# KiCad board cqa02303v5rpi.kicad_pcb (continued)
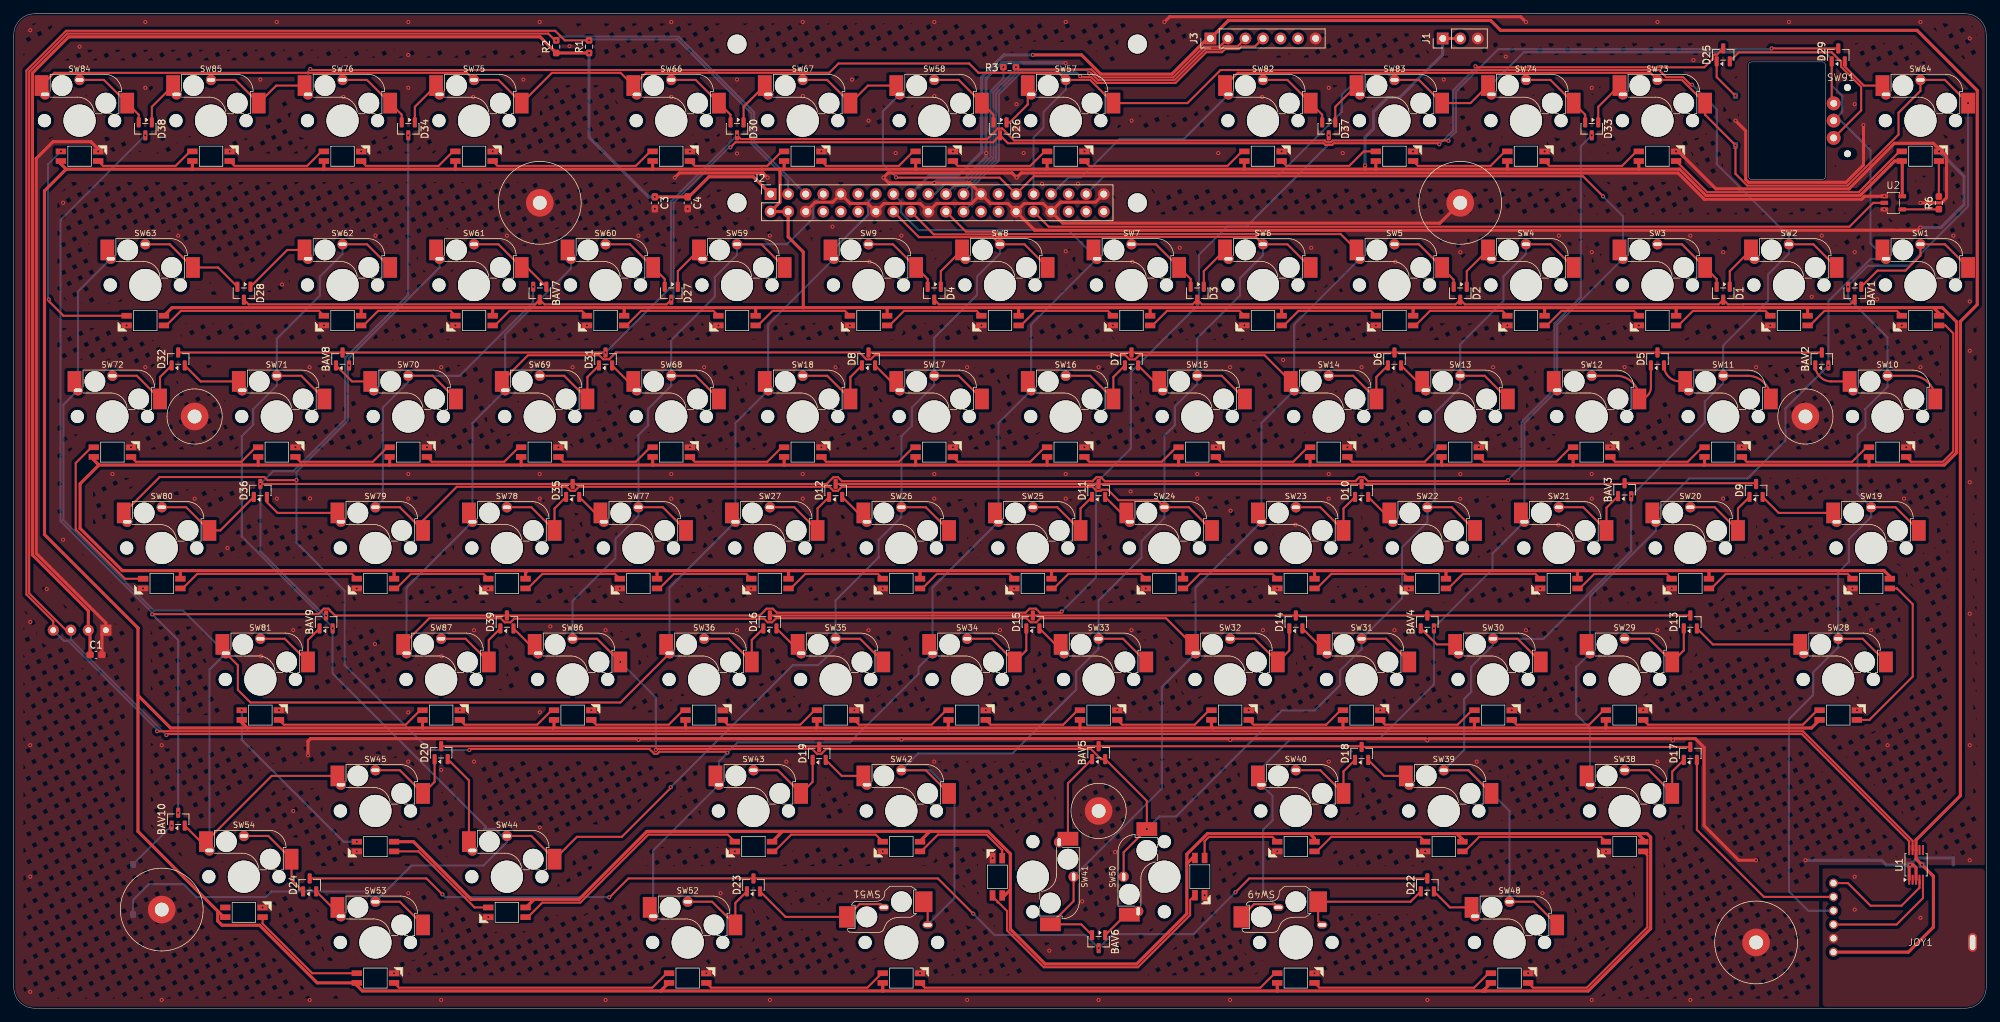
[diagram p0: board, top side]
## Nets
3V3: C1.1 C2.1 C3.1 C4.1 J2.1 J2.17 J3.1 JOY1.6 OLED1.2 R1.1 R2.1 U1.8
5V: J1.1 J1.2 J2.2 J2.4 LED1.1 LED2.1 LED3.1 LED4.1 LED5.1 LED6.1 LED7.1 LED8.1 LED9.1 LED10.1 LED11.1 LED12.1 LED13.1 LED16.1 LED17.1 LED18.1 LED19.1 LED20.1 LED21.1 LED22.1 LED23.1 LED24.1 LED25.1 LED26.1 LED27.1 LED28.1 LED29.1 LED31.1 LED32.1 LED33.1 LED34.1 LED35.1 LED36.1 LED37.1 LED38.1 LED39.1 LED40.1 LED41.1 LED42.1 LED43.1 LED44.1 LED46.1 LED47.1 LED48.1 LED49.1 LED50.1 LED51.1 LED52.1 LED53.1 LED54.1 LED55.1 LED56.1 LED57.1 LED58.1 LED61.1 LED62.1 LED63.1 LED64.1 LED65.1 LED66.1 LED67.1 LED68.1 LED69.1 LED70.1 LED71.1 LED72.1 LED76.1 LED77.1 LED78.1 LED79.1 LED80.1 LED81.1 LED82.1 LED83.1 LED84.1 LED85.1 LED86.1 LED87.1 LED88.1 LED89.1 LED90.1 U2.5
GND: 2mm1.1 2mm2.1 2mm3.1 2mm4.1 2mm5.1 2mm6.1 2mm7.1 C1.2 C2.2 C3.2 C4.2 J1.3 J2.6 J2.9 J2.14 J2.20 J2.25 J2.30 J2.34 J2.39 J3.7 LED1.3 LED2.3 LED3.3 LED4.3 LED5.3 LED6.3 LED7.3 LED8.3 LED9.3 LED10.3 LED11.3 LED12.3 LED13.3 LED16.3 LED17.3 LED18.3 LED19.3 LED20.3 LED21.3 LED22.3 LED23.3 LED24.3 LED25.3 LED26.3 LED27.3 LED28.3 LED29.3 LED31.3 LED32.3 LED33.3 LED34.3 LED35.3 LED36.3 LED37.3 LED38.3 LED39.3 LED40.3 LED41.3 LED42.3 LED43.3 LED44.3 LED46.3 LED47.3 LED48.3 LED49.3 LED50.3 LED51.3 LED52.3 LED53.3 LED54.3 LED55.3 LED56.3 LED57.3 LED58.3 LED61.3 LED62.3 LED63.3 LED64.3 LED65.3 LED66.3 LED67.3 LED68.3 LED69.3 LED70.3 LED71.3 LED72.3 LED76.3 LED77.3 LED78.3 LED79.3 LED80.3 LED81.3 LED82.3 LED83.3 LED84.3 LED85.3 LED86.3 LED87.3 LED88.3 LED89.3 LED90.3 NT1.1 OLED1.1 U1.1 U1.3 U2.1 U2.3
GNDA: JOY1.5 JOY1.7 NT1.2
/LED/LED_DIN: LED1.4 R6.2
/Mouse Sheet/MFIO: J3.6
/Mouse Sheet/MOT: J3.5
AJoy1: JOY1.1 U1.4
AJoy2: JOY1.4 U1.5
col1: BAV1.2 J2.33 JOY1.3 SW10.1 SW19.1 SW28.1 SW55.1 SW64.1 SW73.1 SW82.2
col2: BAV2.2 J2.37 SW1.2 SW20.2 SW29.2 SW38.2 SW74.2 SW83.1 SW91.C
col3: BAV3.2 J2.31 SW2.1 SW11.1 SW30.1 SW39.1 SW48.1 SW57.1 SW66.2 SW75.1 SW84.2
col4: BAV4.2 J2.29 SW3.2 SW12.2 SW21.2 SW40.2 SW49.1 SW58.2 SW67.1 SW76.2 SW85.1
col5: BAV5.2 J2.7 SW4.1 SW13.1 SW22.1 SW31.1 SW50.1 SW59.1 SW68.1 SW77.1 SW86.1
col6: BAV6.2 J2.22 SW5.2 SW14.2 SW23.2 SW32.2 SW41.1 SW60.2 SW69.2 SW78.2 SW87.2
col7: BAV7.2 J2.18 SW6.1 SW15.1 SW24.1 SW33.1 SW42.1 SW51.2 SW70.1 SW79.1
col8: BAV8.2 J2.15 SW7.2 SW16.2 SW25.2 SW34.2 SW43.2 SW52.2 SW61.2 SW80.2
col9: BAV9.2 J2.16 SW8.1 SW17.1 SW26.1 SW35.1 SW44.1 SW53.1 SW62.1 SW71.1 SW90.1
col10: BAV10.2 J2.13 SW9.2 SW18.2 SW27.2 SW36.2 SW45.2 SW54.2 SW63.2 SW72.2 SW81.2
EC1A: D29.1 SW91.A
EC1B: D25.2 SW91.B
EC1SW2: D25.1 SW55.2
JOY1: D17.2 JOY1.2
LED_CTL: J2.32 U2.2
ROW1: BAV1.3 D1.3 D2.3 D3.3 D4.3
ROW2: BAV2.3 D5.3 D6.3 D7.3 D8.3
ROW3: BAV3.3 D9.3 D10.3 D11.3 D12.3
ROW4: BAV4.3 D13.3 D14.3 D15.3 D16.3
ROW5: BAV5.3 D17.3 D18.3 D19.3 D20.3
ROW6: BAV6.3 D22.3 D23.3 D24.3
ROW7: BAV7.3 D25.3 D26.3 D27.3 D28.3
ROW8: BAV8.3 D29.3 D30.3 D31.3 D32.3
ROW9: BAV9.3 D33.3 D34.3 D35.3 D36.3
ROW10: BAV10.3 D37.3 D38.3 D39.3
SCL: J2.5 OLED1.3 R2.2 U1.10
SDA: J2.3 OLED1.4 R1.2 U1.9
SPI1_CE0: J2.12
SPI1_CE1: J2.11
SPI1_CE2: J2.36
SPI1_MISO: J2.35
SPI1_MOSI: J2.38
SPI1_SCLK: J2.40
SPIO_CS0: J2.24 J3.4
SPIO_CS1: J2.26
SPIO_RX: J2.21 J3.2 R3.1
SPIO_SCK: J2.23 J3.3
SPIO_TX: J2.19 R3.2
UART_RXD: J2.10
UART_TXD: J2.8
Net-(BAV1-K-Pad1): BAV1.1 SW1.1
Net-(BAV2-K-Pad1): BAV2.1 SW10.2
Net-(BAV3-K-Pad1): BAV3.1 SW21.1
Net-(BAV4-K-Pad1): BAV4.1 SW30.2
Net-(BAV5-K-Pad1): BAV5.1 SW41.2
Net-(BAV6-K-Pad1): BAV6.1 SW50.2
Net-(BAV7-K-Pad1): BAV7.1 SW61.1
Net-(BAV8-K-Pad1): BAV8.1 SW70.2
Net-(BAV9-K-Pad1): BAV9.1 SW81.1
Net-(BAV10-K-Pad1): BAV10.1 SW90.2
Net-(D1-A-Pad1): D1.1 SW2.2
Net-(D1-A-Pad2): D1.2 SW3.1
Net-(D2-A-Pad1): D2.1 SW4.2
Net-(D2-A-Pad2): D2.2 SW5.1
Net-(D3-A-Pad1): D3.1 SW6.2
Net-(D3-A-Pad2): D3.2 SW7.1
Net-(D4-A-Pad1): D4.1 SW8.2
Net-(D4-A-Pad2): D4.2 SW9.1
Net-(D5-A-Pad1): D5.1 SW12.1
Net-(D5-A-Pad2): D5.2 SW11.2
Net-(D6-A-Pad1): D6.1 SW14.1
Net-(D6-A-Pad2): D6.2 SW13.2
Net-(D7-A-Pad1): D7.1 SW16.1
Net-(D7-A-Pad2): D7.2 SW15.2
Net-(D8-A-Pad1): D8.1 SW18.1
Net-(D8-A-Pad2): D8.2 SW17.2
Net-(D9-A-Pad1): D9.1 SW20.1
Net-(D9-A-Pad2): D9.2 SW19.2
Net-(D10-A-Pad1): D10.1 SW23.1
Net-(D10-A-Pad2): D10.2 SW22.2
Net-(D11-A-Pad1): D11.1 SW25.1
Net-(D11-A-Pad2): D11.2 SW24.2
Net-(D12-A-Pad1): D12.1 SW27.1
Net-(D12-A-Pad2): D12.2 SW26.2
Net-(D13-A-Pad1): D13.1 SW29.1
Net-(D13-A-Pad2): D13.2 SW28.2
Net-(D14-A-Pad1): D14.1 SW32.1
Net-(D14-A-Pad2): D14.2 SW31.2
Net-(D15-A-Pad1): D15.1 SW34.1
Net-(D15-A-Pad2): D15.2 SW33.2
Net-(D16-A-Pad1): D16.1 SW36.1
Net-(D16-A-Pad2): D16.2 SW35.2
Net-(D17-A-Pad1): D17.1 SW38.1
Net-(D18-A-Pad1): D18.1 SW40.1
Net-(D18-A-Pad2): D18.2 SW39.2
Net-(D19-A-Pad1): D19.1 SW43.1
Net-(D19-A-Pad2): D19.2 SW42.2
Net-(D20-A-Pad1): D20.1 SW45.1
Net-(D20-A-Pad2): D20.2 SW44.2
Net-(D22-A-Pad1): D22.1 SW49.2
Net-(D22-A-Pad2): D22.2 SW48.2
Net-(D23-A-Pad1): D23.1 SW52.1
Net-(D23-A-Pad2): D23.2 SW51.1
Net-(D24-A-Pad1): D24.1 SW54.1
Net-(D24-A-Pad2): D24.2 SW53.2
Net-(D26-A-Pad1): D26.1 SW57.2
Net-(D26-A-Pad2): D26.2 SW58.1
Net-(D27-A-Pad1): D27.1 SW59.2
Net-(D27-A-Pad2): D27.2 SW60.1
Net-(D28-A-Pad1): D28.1 SW62.2
Net-(D28-A-Pad2): D28.2 SW63.1
Net-(D29-A-Pad2): D29.2 SW64.2
Net-(D30-A-Pad1): D30.1 SW67.2
Net-(D30-A-Pad2): D30.2 SW66.1
Net-(D31-A-Pad1): D31.1 SW69.1
Net-(D31-A-Pad2): D31.2 SW68.2
Net-(D32-A-Pad1): D32.1 SW72.1
Net-(D32-A-Pad2): D32.2 SW71.2
Net-(D33-A-Pad1): D33.1 SW73.2
Net-(D33-A-Pad2): D33.2 SW74.1
Net-(D34-A-Pad1): D34.1 SW75.2
Net-(D34-A-Pad2): D34.2 SW76.1
Net-(D35-A-Pad1): D35.1 SW78.1
Net-(D35-A-Pad2): D35.2 SW77.2
Net-(D36-A-Pad1): D36.1 SW80.1
Net-(D36-A-Pad2): D36.2 SW79.2
Net-(D37-A-Pad1): D37.1 SW83.2
Net-(D37-A-Pad2): D37.2 SW82.1
Net-(D38-A-Pad1): D38.1 SW85.2
Net-(D38-A-Pad2): D38.2 SW84.1
Net-(D39-A-Pad1): D39.1 SW87.1
Net-(D39-A-Pad2): D39.2 SW86.2
Net-(LED1-DOUT): LED1.2 LED2.4
Net-(LED2-DOUT): LED2.2 LED3.4
Net-(LED3-DOUT): LED3.2 LED4.4
Net-(LED4-DOUT): LED4.2 LED5.4
Net-(LED5-DOUT): LED5.2 LED6.4
Net-(LED6-DOUT): LED6.2 LED7.4
Net-(LED7-DOUT): LED7.2 LED8.4
Net-(LED8-DOUT): LED8.2 LED9.4
Net-(LED10-DIN): LED9.2 LED10.4
Net-(LED10-DOUT): LED10.2 LED11.4
Net-(LED11-DOUT): LED11.2 LED12.4
Net-(LED12-DOUT): LED12.2 LED13.4
Net-(LED13-DOUT): LED13.2 LED16.4
Net-(LED16-DOUT): LED16.2 LED17.4
Net-(LED17-DOUT): LED17.2 LED18.4
Net-(LED18-DOUT): LED18.2 LED19.4
Net-(LED19-DOUT): LED19.2 LED20.4
Net-(LED20-DOUT): LED20.2 LED21.4
Net-(LED21-DOUT): LED21.2 LED22.4
Net-(LED22-DOUT): LED22.2 LED23.4
Net-(LED23-DOUT): LED23.2 LED24.4
Net-(LED24-DOUT): LED24.2 LED25.4
Net-(LED25-DOUT): LED25.2 LED26.4
Net-(LED26-DOUT): LED26.2 LED27.4
Net-(LED27-DOUT): LED27.2 LED28.4
Net-(LED28-DOUT): LED28.2 LED29.4
Net-(LED29-DOUT): LED29.2 LED31.4
Net-(LED31-DOUT): LED31.2 LED32.4
Net-(LED32-DOUT): LED32.2 LED33.4
Net-(LED33-DOUT): LED33.2 LED34.4
Net-(LED34-DOUT): LED34.2 LED35.4
Net-(LED35-DOUT): LED35.2 LED36.4
Net-(LED36-DOUT): LED36.2 LED37.4
Net-(LED37-DOUT): LED37.2 LED38.4
Net-(LED38-DOUT): LED38.2 LED39.4
Net-(LED39-DOUT): LED39.2 LED40.4
Net-(LED40-DOUT): LED40.2 LED41.4
Net-(LED41-DOUT): LED41.2 LED42.4
Net-(LED42-DOUT): LED42.2 LED43.4
Net-(LED43-DOUT): LED43.2 LED44.4
Net-(LED44-DOUT): LED44.2 LED46.4
Net-(LED46-DOUT): LED46.2 LED47.4
Net-(LED47-DOUT): LED47.2 LED48.4
Net-(LED48-DOUT): LED48.2 LED49.4
Net-(LED49-DOUT): LED49.2 LED50.4
Net-(LED50-DOUT): LED50.2 LED51.4
Net-(LED51-DOUT): LED51.2 LED52.4
Net-(LED52-DOUT): LED52.2 LED53.4
Net-(LED53-DOUT): LED53.2 LED54.4
Net-(LED54-DOUT): LED54.2 LED55.4
Net-(LED55-DOUT): LED55.2 LED56.4
Net-(LED56-DOUT): LED56.2 LED57.4
Net-(LED57-DOUT): LED57.2 LED58.4
Net-(LED58-DOUT): LED58.2 LED61.4
Net-(LED61-DOUT): LED61.2 LED62.4
Net-(LED62-DOUT): LED62.2 LED63.4
Net-(LED63-DOUT): LED63.2 LED64.4
Net-(LED64-DOUT): LED64.2 LED65.4
Net-(LED65-DOUT): LED65.2 LED66.4
Net-(LED66-DOUT): LED66.2 LED67.4
Net-(LED67-DOUT): LED67.2 LED68.4
Net-(LED68-DOUT): LED68.2 LED69.4
Net-(LED69-DOUT): LED69.2 LED70.4
Net-(LED70-DOUT): LED70.2 LED71.4
Net-(LED71-DOUT): LED71.2 LED72.4
Net-(LED72-DOUT): LED72.2 LED76.4
Net-(LED76-DOUT): LED76.2 LED77.4
Net-(LED77-DOUT): LED77.2 LED78.4
Net-(LED78-DOUT): LED78.2 LED79.4
Net-(LED79-DOUT): LED79.2 LED80.4
Net-(LED80-DOUT): LED80.2 LED81.4
Net-(LED81-DOUT): LED81.2 LED82.4
Net-(LED82-DOUT): LED82.2 LED83.4
Net-(LED83-DOUT): LED83.2 LED84.4
Net-(LED84-DOUT): LED84.2 LED85.4
Net-(LED85-DOUT): LED85.2 LED86.4
Net-(LED86-DOUT): LED86.2 LED87.4
Net-(LED87-DOUT): LED87.2 LED88.4
Net-(LED88-DOUT): LED88.2 LED89.4
Net-(LED89-DOUT): LED89.2 LED90.4
Net-(R6-Pad1): R6.1 U2.4

Pads without a net: J2 27 28; LED90 2; U1 2 6 7

## Via types
v1: diameter 0.6, hole 0.3, Top to Bottom, 349 vias

## Routing (per net, layer and track width the routed paths; a pad name or vN(x,y) marks a point on that pad's centre or on a via; arc(x,y) is an arc through that point)
3V3: length 535.5
  Top w0.45: v1(83.34,138.39) R2.1 76.24,140.73 7.94,140.73 2.7,135.49 2.7,65.67 10.79,57.58 OLED1.2 11.04,54.52 C1.1 ; J2.1 107.14,120.46 100.71,120.46 97.8,117.54 C4.1 v1(92.87,117.54) ; JOY1.6 274.48,8.12 278.1,11.75 278.1,19.11 v1(276.45,20.76) 275.59,21.63 U1.8 275.59,24.37 282.01,30.79 282.01,99.5 284.45,101.94 284.45,132.95 275.73,141.67 215.39,141.67 213.97,143.09 175.95,143.09 J3.1 172.94,140.49 167.77,135.32 157.47,135.32 154.68,138.11 v1(147.64,138.11)
  Bottom w0.45: v1(83.34,138.39) 83.34,126.19 91.99,117.54 v1(92.87,117.54) ; v1(147.64,138.11) 143.46,138.11 140.23,134.89 140.23,124.03 136.81,120.61 132.63,120.61 J2.17
5V: length 2061.5
  Top w0.3: 192.56,41.76 192.56,41.52
  Top w0.45: 183.06,2.49 183.04,2.51 LED86.1 ; 183.06,2.49 125.88,2.49 ; 183.06,2.49 212.82,2.49 ; 169.94,20.94 169.94,22.31 172.93,25.29 187.76,25.29 ; 169.94,20.94 169.94,13.68 162.67,6.41 149.42,6.41 144.37,11.46 144.37,17.16 ; 169.94,20.94 170.77,21.77 LED81.1 171.12,22.1 ; 112.24,63.39 112.24,63.39 LED50.1 ; 112.24,63.39 131.42,63.39 ; 112.24,63.39 93.12,63.39 ; 164.72,101.49 164.62,101.4 LED23.1 ; 164.72,101.49 183.64,101.49 ; 164.72,101.49 145.57,101.49 ; 33.84,40.59 59.26,40.59 ; 33.84,40.59 22.72,40.59 17.98,45.33 ; 33.84,40.59 33.02,41.42 LED72.1 ; 59.26,40.59 59.21,40.64 LED71.1 ; 59.26,40.59 78.13,40.59 ; LED6.1 149.7,121.68 149.58,121.56 ; 149.71,78.69 168.71,78.69 ; 149.71,78.69 130.56,78.69 ; 149.71,78.69 149.7,78.7 LED37.1 ; 168.71,78.69 168.75,78.74 LED36.1 ; 168.71,78.69 187.81,78.69 ; 178.23,121.56 178.28,121.6 LED5.1 ; 178.23,121.56 149.58,121.56 ; 178.23,121.56 195.76,121.56 ; 230.61,40.59 230.66,40.65 LED62.1 ; 230.61,40.59 211.53,40.59 ; 230.61,40.59 260.44,40.59 LED61.1 ; 154.46,40.59 154.46,40.6 LED66.1 ; 154.46,40.59 135.38,40.59 ; 154.46,40.59 173.69,40.59 ; 114.38,101.49 114.38,109.56 112.19,111.75 J2.4 J2.2 111,116.76 111,121.56 ; 114.38,101.49 126.52,101.49 ; 114.38,101.49 107.44,101.49 ; 150.22,63.39 131.42,63.39 ; 150.22,63.39 150.34,63.27 LED52.1 ; 150.22,63.39 169.32,63.39 ; 131.42,63.39 131.29,63.26 LED51.1 ; LED9.1 92.55,121.57 92.53,121.56 ; 92.53,121.56 63.96,121.56 ; 92.53,121.56 111,121.56 ; 63.96,121.56 63.98,121.57 LED10.1 ; 63.96,121.56 44.86,121.56 ; 144.37,17.16 144.37,22.37 141.13,25.62 132.72,25.62 ; 144.37,17.16 143.55,16.34 LED80.1 ; 149.58,121.56 130.68,121.56 ; 44.86,121.56 25.88,121.56 ; 44.86,121.56 44.93,121.62 LED11.1 ; 25.88,121.56 7.59,121.56 ; 25.88,121.56 25.87,121.56 LED12.1 ; 183.64,101.49 202.72,101.49 ; 183.64,101.49 183.68,101.46 LED24.1 ; 69.34,101.49 69.38,101.46 LED18.1 ; 69.34,101.49 50.29,101.49 ; 69.34,101.49 88.42,101.49 ; 111,121.56 111.61,121.56 ; LED28.1 259.88,101.49 259.87,101.49 ; 226.54,63.39 207.39,63.39 ; 226.54,63.39 245.64,63.39 ; 226.54,63.39 226.54,63.39 LED56.1 ; 207.39,63.39 188.49,63.39 ; 207.39,63.39 207.49,63.3 LED55.1 ; 93.12,63.39 74.42,63.39 ; 93.12,63.39 93.19,63.32 LED49.1 ; 74.42,63.39 55.19,63.39 ; 74.42,63.39 74.14,63.11 LED48.1 ; 7.59,121.56 4.45,118.41 4.45,68.62 18,55.07 17.98,55.05 17.98,45.33 ; 7.59,121.56 6.82,122.32 LED13.1 ; 235.42,121.56 216.41,121.56 ; 235.42,121.56 LED2.1 ; 235.42,121.56 241.33,121.56 245.13,117.75 267.49,117.75 267.68,117.94 267.69,117.94 272.49,122.75 273.51,122.75 LED1.1 273.59,122.67 U2.5 ; 216.41,121.56 197.33,121.56 ; 216.41,121.56 216.38,121.59 LED3.1 ; LED90.1 30.41,13.19 17.98,25.62 17.98,45.33 ; LED22.1 145.58,101.49 145.57,101.49 ; 211.53,40.59 211.61,40.68 LED63.1 ; 211.53,40.59 192.53,40.59 ; LED68.1 116.36,40.73 116.23,40.59 ; 135.38,40.59 135.38,41.74 LED67.1 ; 135.38,40.59 116.23,40.59 ; 173.69,40.59 173.51,40.77 LED65.1 ; 173.69,40.59 192.53,40.59 ; 126.52,101.49 126.53,101.49 LED21.1 ; 126.52,101.49 145.57,101.49 ; 111.35,25.62 91.72,25.62 81.87,15.77 75.39,15.77 ; 111.35,25.62 132.72,25.62 ; 111.35,25.62 LED78.1 ; 73.51,78.69 73.5,78.7 LED41.1 ; 73.51,78.69 92.58,78.69 ; 73.51,78.69 54.43,78.69 ; 130.56,78.69 130.65,78.79 LED38.1 ; 130.56,78.69 111.63,78.69 ; 188.49,63.39 169.32,63.39 ; 188.49,63.39 188.44,63.34 LED54.1 ; 169.32,63.39 169.39,63.32 LED53.1 ; 206.88,78.69 206.85,78.73 LED34.1 ; 206.88,78.69 225.88,78.69 ; 206.88,78.69 187.81,78.69 ; 29.54,14.06 29.54,12.64 30.16,12.02 35.61,12.02 43.96,3.67 LED89.1 49.69,3.32 50.51,2.49 93.7,2.49 ; 202.72,101.49 202.72,101.49 LED25.1 ; 202.72,101.49 221.64,101.49 ; 197.33,121.56 195.76,121.56 ; 197.33,121.56 197.33,121.56 LED4.1 ; 130.68,121.56 111.61,121.56 ; 130.68,121.56 130.65,121.59 LED7.1 ; 111.61,121.56 111.6,121.56 LED8.1 ; 235.24,25.29 236.62,25.29 237.14,24.77 237.14,11.54 228.1,2.49 213.16,2.49 ; 235.24,25.29 236.06,24.47 LED84.1 ; 235.24,25.29 209.04,25.29 ; 195.76,121.56 v1(195.76,122.11) ; 132.72,25.62 131.29,24.19 LED79.1 ; 111.63,78.69 111.6,78.73 LED39.1 ; 111.63,78.69 92.58,78.69 ; 24.16,63.39 24.13,63.37 LED46.1 ; 24.16,63.39 15.71,63.39 9.6,69.51 9.6,75.97 12.33,78.69 ; 24.16,63.39 55.19,63.39 ; 245.64,63.39 270.96,63.39 271.78,62.57 LED58.1 272.19,62.22 ; 245.64,63.39 245.59,63.34 LED57.1 ; 107.44,101.49 107.47,101.46 LED20.1 ; 107.44,101.49 88.42,101.49 ; 93.7,2.49 94.88,3.67 LED88.1 ; 93.7,2.49 125.88,2.49 ; 187.76,25.29 188.44,24.61 LED82.1 ; 187.76,25.29 209.04,25.29 ; 209.04,25.29 209.87,24.47 LED83.1 ; LED64.1 192.56,40.62 192.53,40.59 ; 212.82,2.49 212.99,2.67 ; 212.82,2.49 213.16,2.49 ; 212.99,2.67 LED85.1 ; 212.99,2.67 213.16,2.49 ; LED16.1 22.93,101.49 50.29,101.49 ; LED44.1 11.59,79.43 12.33,78.69 ; 116.23,40.59 97.36,40.59 ; 78.13,40.59 97.36,40.59 ; 78.13,40.59 78.26,40.73 LED70.1 ; 97.36,40.59 97.31,40.64 LED69.1 ; 240.82,101.49 240.83,101.49 LED27.1 ; 240.82,101.49 259.87,101.49 ; 240.82,101.49 221.64,101.49 ; 225.88,78.69 225.9,78.71 LED33.1 ; 225.88,78.69 244.86,78.69 ; 12.33,78.69 35.36,78.69 ; 50.29,101.49 50.32,101.46 LED17.1 ; 92.58,78.69 92.55,78.73 LED40.1 ; 278.1,101.49 278.92,100.67 LED29.1 ; 278.1,101.49 279.39,101.49 281.46,99.43 281.46,80.48 279.67,78.69 268.81,78.69 ; 278.1,101.49 259.87,101.49 ; 244.86,78.69 268.81,78.69 ; 244.86,78.69 244.95,78.79 LED32.1 ; 125.88,2.49 125.89,2.5 LED87.1 ; 75.39,15.77 66.26,15.77 57.91,24.12 LED76.1 ; 75.39,15.77 74.21,14.59 LED77.1 ; 221.64,101.49 221.78,101.36 LED26.1 ; 268.81,78.69 268.76,78.74 LED31.1 ; 54.43,78.69 54.45,78.71 LED42.1 ; 54.43,78.69 35.36,78.69 ; LED19.1 88.43,101.49 88.42,101.49 ; 55.19,63.39 55.09,63.29 LED47.1 ; 35.36,78.69 35.4,78.74 LED43.1 ; 187.81,78.69 187.8,78.7 LED35.1 ; J1.1 J1.2
  Bottom w0.45: v1(195.76,122.11) 195.76,126.2 196.98,127.42 196.98,129.88 199.03,131.94 200.76,131.94 207.01,138.19 J1.1
GND: length 952.9
  Top w0.45: J2.25 138.51,119.57 v1(133.35,119.57) 126.75,119.57 v1(125.98,120.33) 126.66,121.01 144.61,121.01 v1(145.29,120.33) 145.96,121.01 241.1,121.01 244.9,117.2 267.71,117.2 267.9,117.39 267.92,117.39 268.15,117.63 v1(270.99,117.63) ; J2.25 141.49,116.59 144.03,116.59 J2.30 ; J2.25 138.76,116.59 133.68,116.59 J2.20 131.33,116.59 126.06,116.59 J2.14 123.71,116.59 121.17,116.59 J2.9 118.63,116.78 116.09,116.78 J2.6 ; J2.30 146.38,116.59 149.11,116.59 J2.34 ; J2.30 147.9,112.71 275.83,112.71 v1(276.22,113.11) ; v1(240.83,124.13) 241.16,124.13 241.83,123.47 241.9,123.47 241.9,123.39 246.59,118.7 250.02,118.7 265.86,118.7 272.46,125.31 278.1,125.31 278.92,124.48 v1(278.92,124.13) 279.34,124.13 280,123.47 280,117.41 279.27,116.68 v1(276.22,116.68) ; v1(252.41,21.43) 249.9,21.43 244.88,26.45 244.88,37.78 243.61,39.05 240.61,39.05 v1(240.36,38.8) 240.11,39.05 205.03,39.05 v1(204.77,38.8) 204.52,39.05 176.43,39.05 v1(176.23,38.85) 176.02,39.05 128.73,39.05 v1(128.6,38.93) 128.47,39.05 90.68,39.05 v1(90.5,38.87) 90.32,39.05 42.99,39.05 42.62,38.69 v1(42.62,36.64) ; v1(12.23,124.13) 12.23,124.48 11.17,125.54 5.69,125.54 3.25,123.1 3.25,65.9 13.34,55.82 OLED1.1 12.77,54.2 C1.2 ; v1(109.22,120.33) 108.55,121.01 96.43,121.01 v1(95.76,120.33) ; U1.3 275.59,20.36 275.18,20.76 v1(274.73,20.76) 274.59,20.63 U1.1 ; v1(267.97,127.95) 267.97,122.16 265.46,119.65 251.33,119.65 250.9,120.08 250.9,127.11 v1(249.43,128.59) ; v1(219.08,142.88) 218.31,143.64 167.45,143.64 v1(166.69,142.88) ; 2mm6.1 206.6,113.73 151.97,113.73 J2.34 ; J2.34 151.65,116.78 156.73,116.78 J2.39
  Bottom w0.45: v1(278.92,124.13) 282.54,120.52 282.54,116.42 279.23,113.11 v1(276.22,113.11) ; NT1.1 275.74,21.77 v1(274.73,20.76) 271.27,20.76 270.61,21.43 v1(259.56,21.43) ; v1(133.35,119.57) 133.79,120.01 137.53,120.01 140.87,123.35 v1(140.87,123.89) 140.87,134.73 143.1,136.96 152.36,136.96 v1(152.4,136.92)
  vias: v1(2.38,141.68) v1(2.38,55.96) v1(2.38,38.1) v1(2.38,19.05) v1(2.38,2.38) v1(4.76,60.72) v1(7.14,116.68) v1(7.14,67.87) v1(9.52,139.3) v1(14.29,77.39) v1(16.35,98.92) v1(16.99,81.27) v1(18.73,60.82) v1(19.05,142.88) v1(19.05,133.35) v1(19.05,92.87) v1(21.43,38.1) v1(21.43,1.19) v1(23.81,111.92) v1(26.19,73.82) v1(30.96,66.67) v1(31.27,124.13) v1(35.72,134.54) v1(35.81,50.99) v1(36.04,14.59) v1(38.1,142.88) v1(38.1,73.82) v1(38.42,43.17) v1(38.86,104.84) v1(40.48,54.77) v1(40.48,28.57) v1(40.8,81.27) v1(42.86,92.87) v1(42.86,1.19) v1(42.93,73.85) v1(44.93,98.92) v1(47.75,132.02) v1(49.69,60.82) v1(49.69,22.72) v1(50.32,124.13) v1(52.39,111.92) v1(52.32,52.77) v1(55.09,5.07) v1(57.15,142.88) v1(57.15,138.11) v1(57.15,133.35) v1(57.15,77.39) v1(57.15,73.82) v1(57.15,42.86) v1(57.15,35.72) v1(57.15,16.67) v1(59.85,81.27) v1(61.91,92.87) v1(61.98,50.99) v1(61.91,34.53) v1(61.91,1.19) v1(63.98,98.92) v1(64.61,43.17) v1(66.55,132.02) v1(66.68,54.77) v1(66.68,35.72) v1(68.74,60.82) v1(68.74,13.19) v1(69.38,124.13) v1(71.44,111.92) v1(73.82,134.54) v1(76.2,142.88) v1(76.2,77.39) v1(76.2,73.82) v1(76.2,42.86) v1(76.2,26.19) v1(77.72,55.31) v1(78.9,81.27) v1(80.52,139.38) v1(80.96,92.87) v1(83.03,98.92) v1(83.66,43.17) v1(85.72,54.77) v1(85.72,1.19) v1(87.79,60.82) v1(90.49,111.92) v1(92.87,115.82) v1(95.25,142.88) v1(95.25,132.02) v1(95.25,77.39) v1(95.25,73.82) v1(97.63,115.82) v1(97.95,124.13) v1(97.95,81.27) v1(100.01,92.87) v1(100.33,5.07) v1(102.08,98.92) v1(102.39,16.67) v1(104.46,22.72) v1(104.78,134.54) v1(104.78,123.82) v1(104.78,54.77) v1(106.84,60.82) v1(109.54,111.92) v1(109.54,1.19) v1(111.92,35.72) v1(114.3,142.88) v1(114.3,132.14) v1(114.3,77.39) v1(114.3,73.82) v1(117,124.13) v1(117,81.27) v1(118.62,113.22) v1(119.06,92.87) v1(121.12,98.92) v1(121.44,134.54) v1(121.76,43.17) v1(123.83,128.59) v1(123.83,54.77) v1(123.95,108.14) v1(125.89,60.82) v1(125.89,22.72) v1(127.76,123.89) v1(128.59,111.92) v1(131.29,5.07) v1(133.35,142.88) v1(133.35,132.14) v1(133.35,77.39) v1(133.35,73.82) v1(133.35,35.72) v1(136.05,124.13) v1(136.05,81.27) v1(138.11,92.87) v1(138.11,1.19) v1(140.18,98.92) v1(140.81,43.17) v1(141.79,21.74) v1(142.88,54.77) v1(144.94,60.82) v1(145.26,130.97) v1(145.26,127.4) v1(146.3,123.89) v1(148.97,119.44) v1(150.02,8.33) v1(152.4,142.88) v1(152.4,109.66) v1(152.4,77.39) v1(152.4,73.82) v1(154.18,119.44) v1(154.78,15.48) v1(155.1,124.13) v1(155.1,81.27) v1(157.16,92.87) v1(157.16,1.19) v1(159.22,98.92) v1(159.54,22.62) v1(159.86,43.17) v1(161.8,74.87) v1(161.93,128.59) v1(161.93,54.77) v1(162.05,108.14) v1(163.99,60.82) v1(168.91,110.17) v1(171.45,77.39) v1(171.45,73.82) v1(172.52,16.37) v1(174.15,81.27) v1(174.5,123.89) v1(176.21,92.87) v1(176.28,72.07) v1(176.21,1.19) v1(178.28,98.92) v1(178.91,43.17) v1(180.85,132.02) v1(180.97,54.77) v1(183.04,60.82) v1(183.04,22.72) v1(183.68,124.13) v1(183.9,93.92) v1(185.67,70.04) v1(187.96,110.17) v1(188.44,5.07) v1(190.5,133.35) v1(190.5,77.39) v1(190.5,73.82) v1(190.5,35.72) v1(192.53,123.89) v1(192.88,127.4) v1(193.2,81.27) v1(195.26,92.87) v1(197.33,98.92) v1(197.96,43.17) v1(200.03,54.77) v1(200.15,108.14) v1(202.09,60.82) v1(202.72,124.13) v1(204.47,22.72) v1(204.79,1.19) v1(207.17,134.54) v1(209.55,109.54) v1(209.55,77.39) v1(209.55,73.82) v1(211.93,35.72) v1(212.25,81.27) v1(214.31,92.87) v1(216.15,137.86) v1(216.38,98.92) v1(217.01,43.17) v1(219.08,54.77) v1(219.39,5.07) v1(221.14,60.82) v1(221.46,16.67) v1(221.78,124.13) v1(223.77,70.04) v1(223.84,111.92) v1(228.6,133.35) v1(228.6,109.54) v1(228.6,77.39) v1(228.6,73.82) v1(228.6,1.19) v1(230.66,22.72) v1(231.3,81.27) v1(233.36,92.87) v1(235.42,98.92) v1(236.06,43.17) v1(238.13,142.88) v1(238.13,54.77) v1(238.13,35.72) v1(240.19,60.82) v1(242.89,111.92) v1(242.89,1.19) v1(243.33,137.35) v1(247.65,109.54) v1(247.65,73.82) v1(250.35,81.27) v1(252.41,92.87) v1(254.47,98.92) v1(257.17,142.88) v1(260.48,103.06) v1(261.87,137.6) v1(261.94,111.92) v1(266.38,60.82) v1(266.7,130.97) v1(266.7,109.54) v1(267.02,43.17) v1(269.08,54.77) v1(269.95,102.7) v1(270.99,115.73) v1(271.46,38.1) v1(273.52,98.92) v1(273.84,73.82) v1(274.16,81.27) v1(276.22,142.88) v1(276.22,92.87) v1(280.99,111.92) v1(283.37,140.49) v1(283.37,102.39) v1(283.37,95.25) v1(283.37,76.2) v1(283.37,57.15) v1(283.37,38.1) v1(283.37,21.43)
GNDA:
  vias: v1(266.7,19.05) v1(266.7,14.29) v1(276.22,13.1)
/LED/LED_DIN: length 5.2
  Top w0.3: LED1.4 278.89,122.7 R6.2
AJoy1: length 16.1
  Top w0.3: JOY1.1 265.71,18.12 268.99,14.85 273.48,14.85 276.09,17.45 U1.4
AJoy2: length 17.2
  Top w0.3: U1.5 276.59,15.95 272.77,12.12 JOY1.4
col1: length 328.6
  Top w0.3: SW19.1 272.62,72.57 SW19.1 ; SW82.2 177.33,135.52 237.09,135.52 SW73.1 241.66,134.49 SW73.1 245.03,129.43 249.43,125.03 v1(249.43,124.99) 249.43,120.88 251.13,119.18 265.66,119.18 273.05,126.57 273.05,129.73 276.22,132.91 SW64.1 279.76,134.49 v1(283.12,131.13) ; SW28.1 267.86,53.53 SW28.1 ; SW10.1 275,91.62 arc(277.38,90.64) SW10.1
  Bottom w0.3: J2.33 150.37,117.95 152.81,120.38 154.66,120.38 160.23,125.95 169.54,125.95 SW82.2 ; v1(283.12,131.13) 283.12,116.16 274.54,107.57 268.59,107.57 265.75,104.73 v1(265.75,104.52) 265.75,102.89 271.45,97.19 271.45,91.64 SW10.1 271.46,90.04 268.25,86.83 268.25,84.21 267.11,83.07 267.11,74.55 SW19.1 269.08,71.18 265.84,67.93 265.84,64.66 264.32,63.14 SW28.1 264.32,52.29 260.68,48.65 260.68,45.38 257.17,41.88 257.17,16.91 259.96,14.12 JOY1.3
col2: length 258.6
  Top w0.3: SW74.2 211.03,131.13 SW83.1 203.57,134.49 SW83.1
  Bottom w0.3: SW74.2 214.08,133.82 218.74,138.49 262.41,138.49 263.37,137.53 263.37,133.68 264.9,132.15 264.9,129.84 SW91.C 264.67,128.59 268.99,124.28 268.99,110.81 SW1.2 269.03,108.57 262.89,102.44 v1(262.89,93.12) 256.67,86.9 256.67,82.23 251.18,76.75 242.72,76.75 237.89,71.91 SW20.2 237.89,69.19 228.36,59.67 SW29.2 226.36,49.43 226.36,42.55 228.36,40.55 SW38.2 ; J2.37 157.95,120.54 183.07,120.54 192.38,129.84 192.38,132.3 195.6,135.52 198.96,135.52 199.99,134.49 SW83.1
col3: length 466.6
  Top w0.3: SW30.1 217.85,53.53 SW30.1 ; SW2.1 260.71,110.67 SW2.1 ; SW84.2 5.87,135.52 65.65,135.52 SW75.1 70.22,134.49 SW75.1 77.97,135.52 87.9,135.52 SW66.2 91.6,135.52 118.14,135.52 119.48,136.87 138.4,136.87 139.75,135.52 151.37,135.52 SW57.1 155.94,134.49 SW57.1 170.03,131.13 174.82,135.92 238.36,135.92 239.39,134.89 241.83,134.89 242.93,133.79 v1(243.15,133.79) ; SW11.1 251.19,91.62 arc(253.57,90.64) SW11.1 ; SW48.1 220.23,15.42 SW48.1 ; SW39.1 210.71,34.47 SW39.1
  Bottom w0.3: SW57.1 152.4,133.08 149.17,129.86 149.17,127.6 147.75,126.17 147.75,122.57 147.75,122.56 J2.31 ; SW48.1 216.69,28.56 210.77,34.47 SW39.1 210.13,37.44 210.13,44.82 211.15,45.83 211.15,49.47 214.31,52.63 SW30.1 221.65,53.53 234.31,66.18 v1(234.31,74.18) 244.97,84.84 244.97,87.89 247.65,90.56 SW11.1 247.65,96 254.15,102.5 254.15,106.31 257.17,109.33 SW2.1 257.17,111.82 246.71,122.29 246.71,130.22 v1(243.15,133.79)
col4: length 370.2
  Top w0.3: SW58.2 123.74,133.67 SW67.1 117.84,134.49 SW67.1 ; v1(42.95,136.07) 43.1,135.92 91.43,135.92 91.44,135.92 113.56,135.92 113.71,136.07 v1(114.02,136.07) ; SW76.2 38.01,133.67 SW85.1 32.12,134.49 SW85.1 ; v1(127.81,120.38) 127.86,120.33 142.82,120.33 J2.29 147.79,120.53 227.33,120.53 v1(230.24,117.63) ; SW49.1 182.73,15.07 179.69,15.07 SW49.1
  Bottom w0.3: v1(42.95,136.07) 42.62,135.74 SW76.2 ; v1(114.02,136.07) 114.18,136.07 114.3,135.95 SW67.1 ; SW49.1 181,16.8 181,25.87 182.37,27.24 182.37,30.74 SW40.2 180.74,34.78 185.12,39.15 197.97,39.15 205.74,46.92 v1(205.74,55.02) 205.74,55.1 214.22,63.59 214.22,65.86 SW21.2 218.84,84.76 SW12.2 223.6,99.05 SW3.2 233.13,114.74 v1(230.24,117.63) ; v1(127.81,120.38) 127.81,120.38 125.91,122.29 125.91,129.95 SW58.2
col5: length 363.9
  Top w0.3: SW77.1 94.03,72.57 SW77.1 ; SW86.1 84.5,53.53 v1(87.86,50.16) ; SW4.1 222.61,110.67 SW4.1 ; SW68.1 98.79,91.62 SW68.1 ; SW22.1 208.33,72.57 SW22.1 ; SW31.1 198.8,53.53 SW31.1 ; SW59.1 108.31,110.67 SW59.1 ; SW50.1 160.79,22.59 v1(164.15,25.95) 164.15,30.05 BAV5.2 157.52,36.08 156.04,37.56 117.7,37.56 117,36.86 116.36,36.86 115.67,37.56 93.16,37.56 v1(93.01,37.41) ; SW13.1 213.09,91.62 SW13.1
  Bottom w0.3: v1(164.15,25.95) 165.97,27.77 168.38,27.77 183.74,43.14 188.47,43.14 192.15,46.82 192.15,48.91 195.26,52.02 SW31.1 201.11,59.37 201.11,66.78 204.79,70.46 SW22.1 205.87,73.66 205.87,86.22 209.55,89.9 SW13.1 209.55,96.18 215.8,102.43 215.8,106.01 219.08,109.28 SW4.1 ; v1(93.01,37.41) 93.01,45 87.86,50.15 v1(87.86,50.16) ; SW86.1 80.96,59 87.17,65.21 87.17,68.01 90.49,71.32 SW77.1 90.49,83.03 91.92,84.47 91.92,86.86 95.25,90.18 SW68.1 95.25,96.79 101.55,103.09 101.55,105.91 104.78,109.13 SW59.1 112.01,110.67 115.83,114.49 115.83,116.51 J2.7
col6: length 488.6
  Top w0.3: SW5.2 192.23,112.15 142.53,112.15 142.18,112.5 137.95,112.5 J2.22 ; SW14.2 181.21,94.6 163.04,94.6 162.44,93.99 161.62,93.99 161.02,94.6 124.73,94.6 124.14,94.01 123.51,94.01 122.51,95.01 87.25,95.01 86.25,94.01 85.41,94.01 84.82,94.6 74.49,94.6 SW69.2 ; SW41.1 153.54,15.51 SW41.1 154.64,12.15 BAV6.2 ; SW32.2 166.92,56.5 148.71,56.5 148.12,55.91 147.32,55.91 146.73,56.5 110.44,56.5 109.86,55.91 109.22,55.91 108.7,56.43 72.48,56.43 71.97,55.91 71.12,55.91 70.53,56.5 60.2,56.5 SW87.2
  Bottom w0.3: SW60.2 80.72,107.18 71.2,97.65 SW69.2 66.44,84.76 SW78.2 56.91,60.95 SW87.2 ; SW5.2 185.5,99.05 SW14.2 180.74,84.76 SW23.2 171.21,60.95 SW32.2 166.32,46.53 166.32,31.83 SW41.1
col7: length 409.1
  Top w0.3: SW42.1 132.13,34.47 SW42.1 ; SW6.1 184.52,110.67 SW6.1 179.9,111.75 142.37,111.75 142.01,112.1 133.27,112.1 J2.18 ; SW70.1 60.69,91.62 SW70.1 ; SW24.1 170.23,72.57 SW24.1 165.67,73.6 164.92,73.6 164.91,73.6 163.38,73.6 163.37,73.6 160.02,73.6 158.5,75.12 157.64,75.12 157.48,74.96 156.84,74.96 156.26,75.55 119.97,75.55 119.38,74.96 118.74,74.96 118.16,75.55 81.87,75.55 81.28,74.96 80.64,74.96 80.06,75.55 64.18,75.55 59.29,70.65 SW79.1 55.93,72.57 SW79.1 ; SW33.1 160.7,53.53 SW33.1 ; SW15.1 174.99,91.62 SW15.1 ; SW51.2 132.4,14.84 SW51.2
  Bottom w0.3: SW6.1 180.97,109.11 177.65,105.78 177.65,103.26 171.45,97.07 SW15.1 171.45,90.41 168.2,87.16 168.2,84.44 166.69,82.93 SW24.1 166.69,70.99 163.37,67.68 163.37,65.28 157.16,59.07 SW33.1 157.16,52.07 153.92,48.83 153.92,46.16 144.67,36.91 131.02,36.91 SW42.1 132.75,34.47 136.27,30.95 136.27,15.94 SW51.2 ; SW79.1 53.47,73.66 53.47,87.05 57.15,90.73 SW70.1 64.61,91.62 75.25,102.27 v1(75.25,104.52)
col8: length 324.6
  Top w0.3: v1(40.94,76.5) 36.75,76.5 36.3,76.95 21.13,76.95 SW80.2 ; v1(65.99,37.41) 66.14,37.56 92.09,37.56 92.79,36.86 93.24,36.86 93.54,37.16 103.17,37.16 103.38,36.94 v1(103.38,37.01)
  Bottom w0.3: SW61.2 61.68,107.31 48.57,94.21 v1(48.57,93.12) 48.43,92.97 48.43,85.16 40.94,77.68 v1(40.94,76.5) 40.94,67.45 47.94,60.46 47.94,49.7 60.23,37.41 v1(65.99,37.41) ; J2.15 128.55,116.83 128.55,115.27 131.11,112.71 152.79,112.71 SW7.2 147.4,99.05 SW16.2 142.64,84.76 SW25.2 133.11,60.95 SW34.2 131.09,49.4 131.09,48.48 121.12,38.51 104.86,38.51 103.38,37.02 v1(103.38,37.01) 103.07,36.7 103.07,36.66 102.16,35.75 SW43.2 92.63,22.85 SW52.2
col9: length 378.2
  Top w0.3: SW35.1 122.6,53.53 SW35.1 ; SW53.1 55.93,15.42 SW53.1 ; v1(95.17,32.02) 95.17,31.91 88.09,24.83 81.58,24.83 SW44.1 74.98,24.95 SW44.1 ; SW62.1 51.16,110.67 SW62.1 ; J2.16 131.13,111.7 141.84,111.7 SW8.1 146.41,110.67 SW8.1 ; SW26.1 132.13,72.57 SW26.1 ; SW17.1 136.89,91.62 SW17.1 ; SW71.1 41.64,91.62 SW71.1
  Bottom w0.3: SW62.1 47.62,109.26 44.32,105.96 44.32,103.21 38.1,96.99 SW71.1 38.1,90.21 34.7,86.8 34.7,84.54 33.02,82.87 33.02,68.34 46.19,55.17 v1(46.19,55.02) 46.19,48.48 68.41,26.26 68.13,25.98 69.66,25.98 70.69,24.95 SW44.1 71.44,24.05 68.05,20.66 57.63,20.66 SW53.1 50.91,16.9 37.34,16.9 36.53,16.09 26.47,16.09 24.59,17.97 19.56,17.97 17.27,15.68 SW90.1 ; v1(95.17,32.02) 112.85,49.7 116.56,49.7 119.06,52.2 SW35.1 119.06,59.08 125.3,65.32 125.3,67.86 128.59,71.15 SW26.1 128.59,82.85 130.1,84.37 130.1,87.03 133.35,90.28 SW17.1 133.35,97.14 139.55,103.34 139.55,106.01 142.88,109.33 SW8.1
col10: length 279.3
  Top w0.3: 27.08,24.13 BAV10.2 ; SW45.2 37.36,33.66 SW54.2 ; SW36.2 87.87,44.28 34.29,44.28 32.46,46.11 32.46,49.68 SW81.2
  Bottom w0.3: SW36.2 95.01,60.95 SW27.2 104.54,84.76 SW18.2 109.3,99.05 SW9.2 118.83,110.01 123.78,114.97 123.78,116.85 J2.13 ; SW54.2 28.34,49.04 SW81.2 24.55,57.59 20.31,57.59 7.18,70.72 7.18,87.42 SW72.2 9.29,103.81 SW63.2
EC1A: length 6.2
  Top w0.3: D29.1 263.37,131.37 SW91.A
EC1B: length 31.1
  Top w0.3: D25.2 249.92,138.49 263.36,138.49 264.72,137.13 264.72,136.41 267.64,133.49 267.64,130.08 SW91.B
EC1SW2: length 6.1
  Top w0.3: v1(249.43,132.19) 249.41,132.19 246.7,134.9 D25.1
JOY1: length 33.9
  Top w0.3: D17.2 243.84,25.84 253.55,16.12 JOY1.2
LED_CTL: length 125.6
  Top w0.3: U2.2 269.4,116.68 265.94,113.22 149.94,113.22 J2.32
ROW1: length 135.6
  Top w0.3: BAV1.3 266.05,101.99 250.57,101.99 250.55,101.97 248.33,101.97 D1.3 246.97,101.97 210.23,101.97 D2.3 208.87,101.97 172.13,101.97 D3.3 170.77,101.97 134.03,101.97 D4.3
ROW2: length 138.1
  Top w0.3: BAV2.3 D5.3 D6.3 D7.3 D8.3
ROW3: length 133.1
  Top w0.3: BAV3.3 252.3,76.06 ; 233.25,75.95 D10.3 D11.3 D12.3
ROW4: length 133.4
  Top w0.3: D16.3 D15.3 D14.3 BAV4.3 D13.3
ROW5: length 180.7
  Top w0.3: 116.79,37.96 BAV5.3 195.15,37.96 ; D20.3 116.57,37.96 ; D18.3 D17.3
ROW6: length 172.6
  Top w0.3: D22.3 178.98,18.8 v1(176.99,16.8) ; v1(86.26,16.07) 86.31,16.07 89.04,18.8 D23.3 133.88,18.8 138.98,13.69 v1(139,13.69) ; v1(62.09,16.49) 59.78,18.8 D24.3
  Bottom w0.3: v1(176.99,16.8) 170.9,10.72 159.18,10.72 v1(157.16,8.7) 155.26,10.6 142.09,10.6 v1(139,13.69) ; v1(62.09,16.49) 62.49,16.09 86.23,16.09 v1(86.26,16.07)
ROW7: length 243.7
  Top w0.3: D28.3 34.02,101.97 75.52,101.97 BAV7.3 76.88,101.97 94.57,101.97 v1(95.25,102.65) ; v1(206.5,125.16) 206.35,125.31 191.22,125.31 190.99,125.07 190.01,125.07 189.78,125.31 144.02,125.31 D26.3 141.88,125.46 104.56,125.46 v1(103.81,124.72) ; v1(211.76,136.47) 211.91,136.32 244.92,136.32 246.15,137.55 246.15,137.93 246.38,138.16 246.76,138.16 D25.3
  Bottom w0.3: v1(211.76,136.47) 211.76,136.21 208.53,132.98 208.53,127.15 206.55,125.16 v1(206.5,125.16) ; v1(103.81,124.72) 103.6,124.72 95.6,116.72 95.6,103 v1(95.25,102.65)
